# Altium PCB ESP32.PcbDoc (continued)
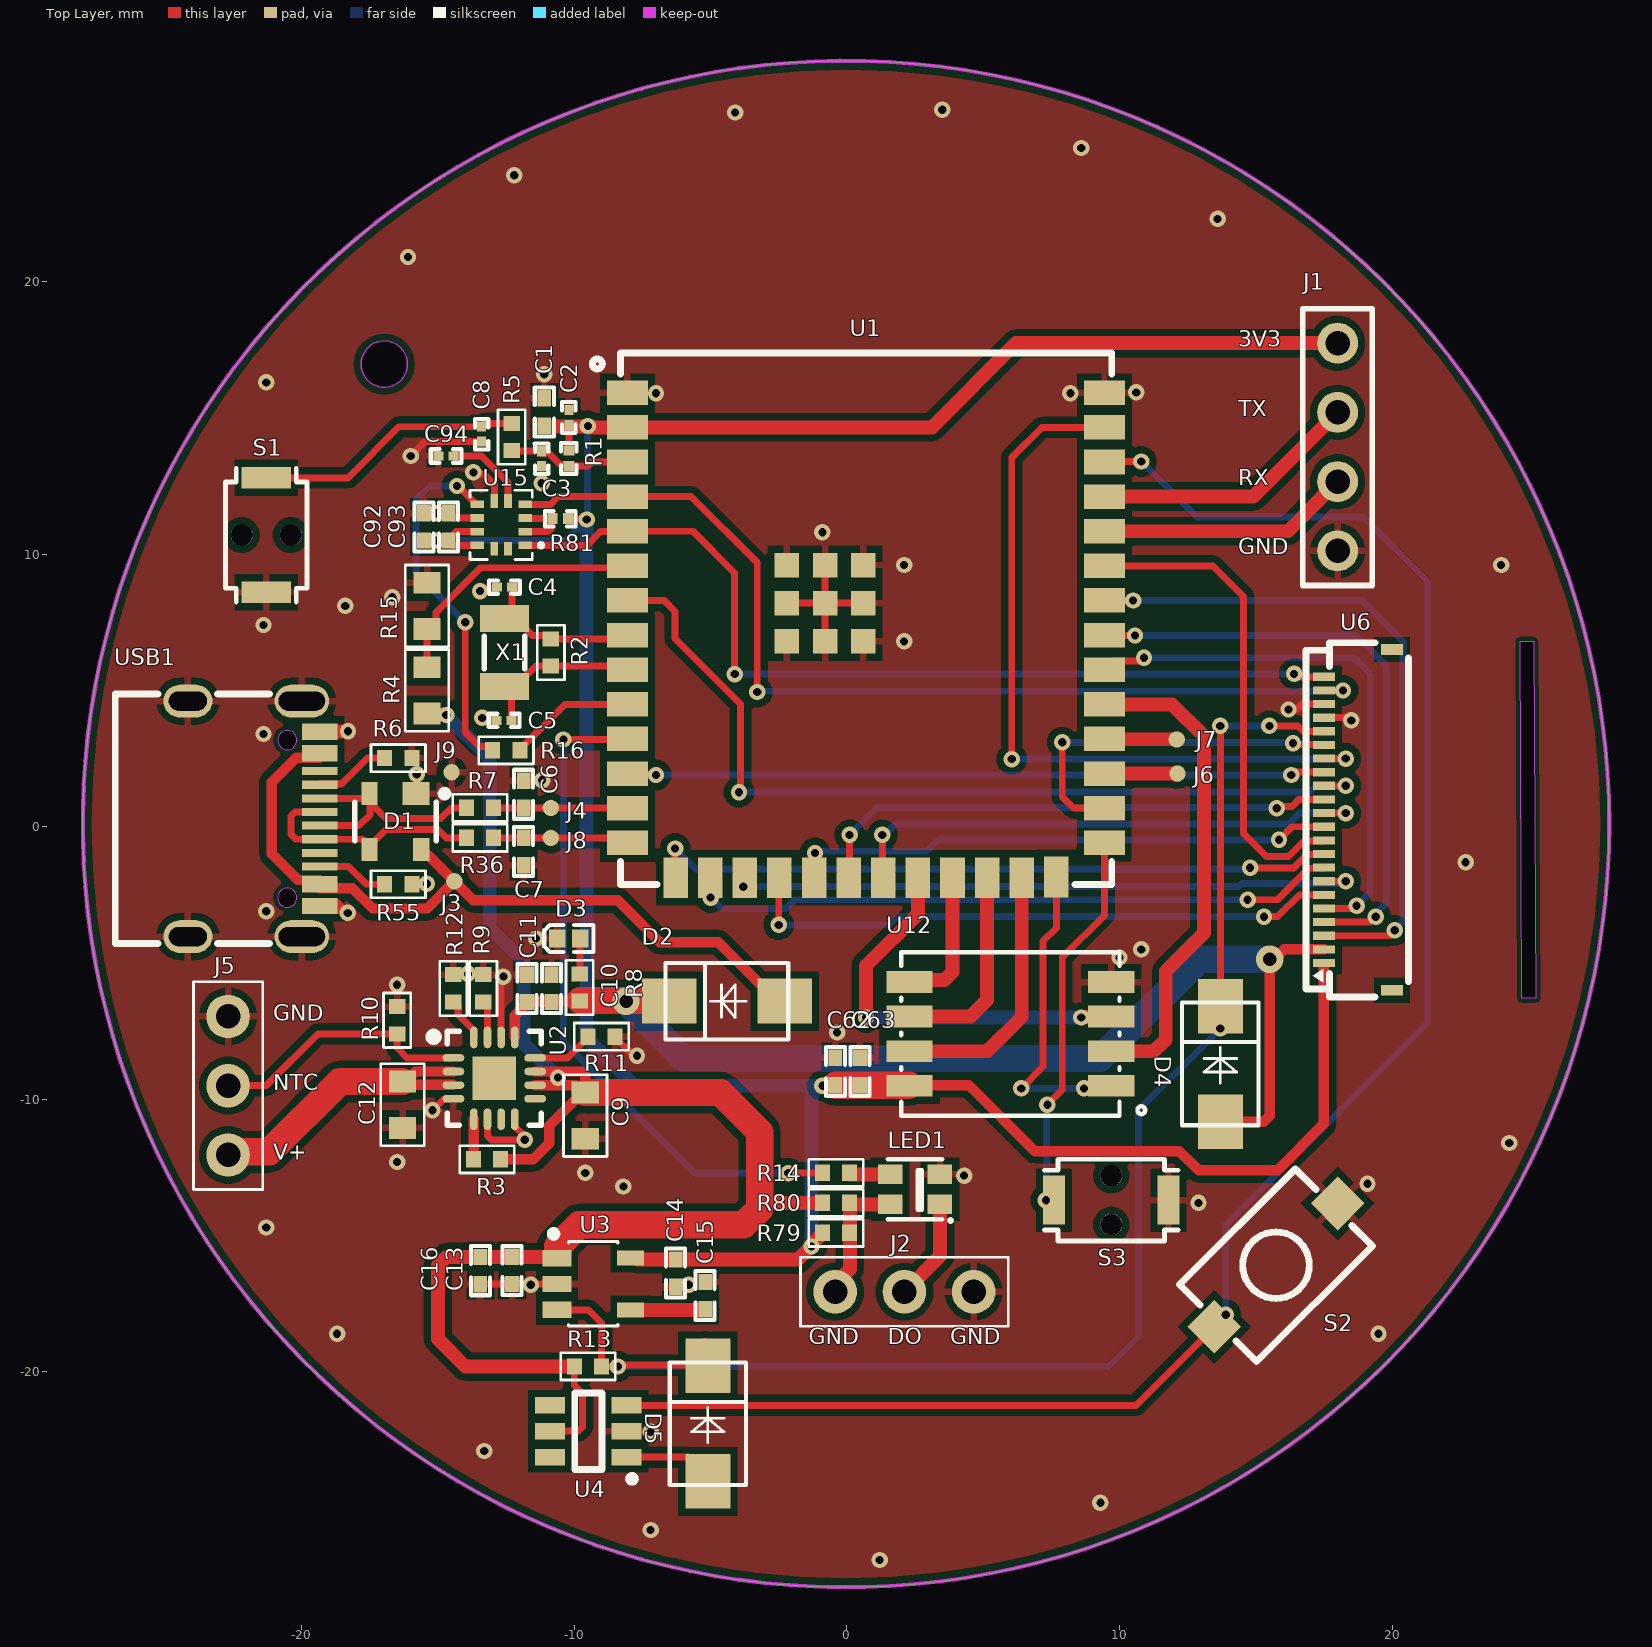
[diagram p0: Top Layer view]
## Footprints (in the part's own frame and the unit in brackets; to place one, negate y for a bottom-side part, rotate by r counter-clockwise, add the part's x,y. Pads: shape width x height; smd on the part's side, far side on the other; paste and mask are expansions set on the pad) (continued)
  rect 0.3x1.3 smd paste-100 mask+0.05: A1(-3.35,2.415) A4(-2.55,2.415) A5(-1.25,2.415) A6(-0.25,2.415) A7(0.25,2.415) A8(1.25,2.415) A9(2.55,2.415) A12(3.35,2.415) B1(3.05,2.415) B4(2.25,2.415) B5(1.75,2.415) B6(0.75,2.415) B7(-0.75,2.415) B8(-1.75,2.415) B9(-2.25,2.415) B12(-3.05,2.415)
  Keep-Out Layer board cut-out: 3.24,1.235 3.24,1.305 3.187,1.433 3.088,1.532 2.96,1.585 2.82,1.585 2.692,1.532 2.593,1.433 2.54,1.305 2.54,1.235 2.54,1.165 2.593,1.037 2.692,0.938 2.82,0.885 2.96,0.885 3.088,0.938 3.187,1.037 3.24,1.165 3.24,1.235 3.24,1.235
  Keep-Out Layer board cut-out: -2.54,1.235 -2.54,1.305 -2.593,1.433 -2.692,1.532 -2.82,1.585 -2.96,1.585 -3.088,1.532 -3.187,1.433 -3.24,1.305 -3.24,1.235 -3.24,1.165 -3.187,1.037 -3.088,0.938 -2.96,0.885 -2.82,0.885 -2.692,0.938 -2.593,1.037 -2.54,1.165 -2.54,1.235 -2.54,1.235
  silkscreen extent -4.57,-5.08 4.57,0.57, body extent -4.48,-5.1 4.47,2.65, height 3.26
WIRELM-SMD_ESP32-S3-WROOM-1U [mm]
  rect 1.5x0.9 smd paste+0 mask+0.05: 1(-8.75,8.895) 2(-8.75,7.625) 3(-8.75,6.355) 4(-8.75,5.085) 5(-8.75,3.815) 6(-8.75,2.545) 7(-8.75,1.275) 8(-8.75,0.005) 9(-8.75,-1.265) 10(-8.75,-2.535) 11(-8.75,-3.805) 12(-8.75,-5.075) 13(-8.75,-6.345) 14(-8.75,-7.615) 27(8.75,-7.615) 28(8.75,-6.345) 29(8.75,-5.075) 30(8.75,-3.805) 31(8.75,-2.535) 32(8.75,-1.265) 33(8.75,0.005) 34(8.75,1.275) 35(8.75,2.545) 36(8.75,3.815) 37(8.75,5.085) 38(8.75,6.355) 39(8.75,7.625) 40(8.75,8.895)
  rect 0.9x1.5 smd paste+0 mask+0.05: 15(-6.985,-8.895) 16(-5.715,-8.895) 17(-4.445,-8.895) 18(-3.175,-8.895) 19(-1.905,-8.895) 20(-0.635,-8.895) 21(0.635,-8.895) 22(1.905,-8.895) 23(3.175,-8.895) 24(4.445,-8.895) 25(5.715,-8.895) 26(6.985,-8.865)
  rect 0.9x0.9 smd: 41(-2.9,-0.225) 41(-2.9,1.175) 41(-2.9,2.575) 41(-1.5,1.175) 41(-1.5,-0.225) 41(-1.5,2.575) 41(-0.1,-0.225) 41(-0.1,1.175) 41(-0.1,2.575)
  silkscreen extent -10.04,-9.14 9.02,10.36, body extent -9,-9.15 9.02,10.06, height 3.21
XTAL_3215 [mm] "XTAL SMD 3.2 x 1.5 mm"
  rect 1x1.8 smd: 1(-1.25,0) 2(1.25,0)
  silkscreen extent -0.6,-0.75 0.6,0.75, body extent -1.6,-0.75 1.6,0.75, height 0.81

## Part data
C1: library part "0603 22uF (226) 20% 6.3V", "贴片电容", Package=0603, SuppliersPartNumber=C59461, ComponentLink1Description=供应商链接, ComponentLink1URL=http://www.szlcsc.com/product/details_60514.html, Supplier=LC
C2 C8 C62 C92: library part "0402 100nF (104) 10% 16V", "贴片电容", Package=0402, SuppliersPartNumber=C1525, ComponentLink1Description=供应商链接, ComponentLink1URL=http://www.szlcsc.com/product/details_1877.html, Supplier=LC
C3: library part "0603 1uF (105) 10% 50V", "贴片电容", Package=0603, SuppliersPartNumber=C15849, ComponentLink1Description=供应商链接, ComponentLink1URL=http://www.szlcsc.com/product/details_16531.html, Supplier=LC
C4 C5 C6 C7: library part "0402 12pF (120) 5% 50V", "贴片电容", Package=0402, SuppliersPartNumber=C1547, ComponentLink1Description=供应商链接, ComponentLink1URL=http://www.szlcsc.com/product/details_1899.html, Supplier=LC
C9 C10 C12: library part "0402 10uF (106) 20% 6.3V", "贴片电容", SuppliersPartNumber=C15525, Add into BOM=yes, Supplier=LC
C11 C15 C16: library part "0603 100nF (104) 10% 50V", "贴片电容", SuppliersPartNumber=C14663, Add into BOM=yes, Supplier=LC
  C15: 供应商链接=http://www.szlcsc.com/product/details_15331.html
C13 C14: library part "0603 1uF (105) 10% 50V", "贴片电容", SuppliersPartNumber=C15849, Add into BOM=yes, Supplier=LC
C63: library part "0603 10uF (106) 10% 10V", "贴片电容", Package=0603, SuppliersPartNumber=C19702, ComponentLink1Description=供应商链接, ComponentLink1URL=http://www.szlcsc.com/product/details_20411.html, Supplier=LC
C93: library part "0402 10uF (106) 20% 6.3V", "贴片电容", Package=0402, SuppliersPartNumber=C15525, ComponentLink1Description=供应商链接, ComponentLink1URL=http://www.szlcsc.com/product/details_16204.html, Supplier=LC
C94: library part "0402 220nF (224) 10% 16V", "贴片电容", Package=0402, SuppliersPartNumber=C16772, ComponentLink1Description=供应商链接, ComponentLink1URL=http://www.szlcsc.com/product/details_17456.html, Supplier=LC
D1: "Ultra low capacitance double rail-to-rail ESD protection diode", 2nd source part number=152-4157, Manufacturer=NXP, Supplier part number=568-4140-1-ND, 2nd source Supplier=Farnell, Artikkelnr Noca=10069015, Artikkelnr Simpro=N.A., Datasheet=http://www.farnell.com/datasheets/109718.pdf, Footprint Doc=SOT-143B, LatestRevisionDate=2012-06-11, Manufacturer Part Number=PRTR5V0U2X, Part Number=PRTR5V0U2X, Published=2012-06-11, Publisher="Nordic Semiconductor", Supplier=Digi-Key
D2 D4 D5: "1A，40V"
D3: library part LED0, "Typical INFRARED GaAs LED", Add into BOM=yes, 供应商链接=https://item.szlcsc.com/75457.html
J3 J4 J6 J7 J8 J9: library part TestPad, Add into BOM=yes
LED1: "发光颜色:RGB三色;二极管配置:-;功率:-;透镜颜色:-;主波长:470.4nm；622.5nm；515.6nm;色温:-;发光角度:-;安装方式:-;工作温度:-;", Color Temperature=-, Emitted Color=RGB三色, Forward Current=12mA, JLCPCB Part Class=扩展库, LCSC Part Name="RGB三色 （注意防潮，请查阅规格书中对应具体内容）", Manufacturer=worldsemi, Add into BOM=yes, Convert to PCB=yes, Datasheet=https://atta.szlcsc.com/upload/public/pdf/source/20201203/C965555_5C919C4B6231E6ADE06011FB0D94282B.pdf, Device=WS2812B-2020, Diode Configuration=-, Dominant Wavelength=470.4nm；622.5nm；515.6nm, Lens Color=-, Manufacturer Part=WS2812B-2020, Mounting Sytle=-, Name=WS2812B-2020, Operating Temperature=-, Peak Wavelength=-, Power Dissipation=-, Supplier=LCSC, Supplier Footprint=SMD,2x2mm, Supplier Part=C965555, Symbol=WS2812B-2020, Viewing Angle=-
R1 R2: library part "0402 10KΩ (1002) 1%", "贴片电阻", Package=0402, SuppliersPartNumber=C25744, ComponentLink1Description=供应商链接, ComponentLink1URL=http://www.szlcsc.com/product/details_26487.html, Supplier=LC
R3 R4 R8 R9 R10 R11 R12 R13 R14 R15 R16 R79 R80 R81: library part Res2, "Resistor"
  R3 R4 R8 R9 R10 R11 R12 R13 R15 R16: Add into BOM=yes, PackageDescription="Axial Device, Thru-Hole; 2 Leads; 0.4 in Pin Spacing", PackageReference=AXIAL-0.4
R5: library part "0402 0Ω (0R0) 1%", "贴片电阻", Package=0402, SuppliersPartNumber=C17168, ComponentLink1Description=供应商链接, ComponentLink1URL=http://www.szlcsc.com/product/details_17853.html, Supplier=LC
R6 R55: library part "0402 5.1KΩ (5101) 1%", "贴片电阻", SuppliersPartNumber=C25905, Add into BOM=yes, Supplier=LC
R7 R36: library part "0402 0Ω (0R0) 1%", "贴片电阻", SuppliersPartNumber=C17168, Add into BOM=yes, Supplier=LC
S1 S2 S3: library part SW-PB_包脚U型小乌龟, Add into BOM=yes, 供应商链接=https://item.szlcsc.com/6227348.html
U2: library part BQ24072, "TI", Add into BOM=yes, 供应商链接=https://item.szlcsc.com/151614.html
U3: library part TLV75733
U6: "锁定特性:翻盖式;触点数量:22P;间距:0.5mm;", JLCPCB Part Class=扩展库, Manufacturer=kinghelm(金航标), Add into BOM=yes, Convert to PCB=yes, Datasheet=https://atta.szlcsc.com/upload/public/pdf/source/20220629/AF128159C3D91429B5983CCCE2A07C6D.pdf, Device=KH-FPC0.5-H1.0SMT-22P-QCHF, Height Above Board=1mm, LCSC Part Name=KH-FPC0.5-H1.0SMT-22P-QCHF, Locking Feature=翻盖式, Manufacturer Part=KH-FPC0.5-H1.0SMT-22P-QCHF, Name=KH-FPC0.5-H1.0SMT-22P-QCHF, Number of Contacts=22P, Pitch=0.5mm, Supplier=LCSC, Supplier Footprint=SMD,P=0.5mm, Supplier Part=C3250120, Symbol=KH-FPC0.5-H1.0SMT-22P-QCHF
U12: "免驱动使用，标准SDIO接口，兼容SPI/SD/eMMC接口，兼容各大MCU平台;内置EDC/ECC，坏块管理，垃圾回收算法;可机贴，锁定晶圆和控制器,一致性高；内置SLC晶圆,10W次擦写寿命，通过1万次随机掉电测试，支持工业级温度-40°~+85°。 CS(创世) SD NAND也被很多开发者朋友称为：贴片式TF卡，贴片式SD卡，贴片卡，焊接式SD卡，焊接式TF卡，工业级TF卡，工业级SD卡，嵌入式SD卡等。主要解决了主控(比如STM32系列的MCU单片机 )使用 SLC NAND FLASH,SPI", JLCPCB Part Class=扩展库, LCSC Part Name="1Gb SD NAND 一代 SD NAND 一代", Manufacturer=CS(创世), Add into BOM=yes, Convert to PCB=yes, Datasheet=https://atta.szlcsc.com/upload/public/pdf/source/20210222/C2691593_195F15B6690BC3EBF1684FE727FBFF20.pdf, Device=CSNP1GCR01-BOW, Manufacturer Part=CSNP1GCR01-BOW, Name=CSNP1GCR01-BOW, Supplier=LCSC, Supplier Footprint=LGA-8(6x8), Supplier Part=C2691593, Symbol=CSNP1GCR01-BOW
U15: JLCPCB Part Class="Extended Part", Manufacturer=ST(意法半导体), Add into BOM=yes, Convert to PCB=yes, Datasheet=https://atta.szlcsc.com/upload/public/pdf/source/20180403/C126671_E4CABC5ABBEC58D74E548CEDEFA0489C.pdf, Device=LSM303AGRTR, LCSC Part Name=LSM303AGRTR, Manufacturer Part=LSM303AGRTR, Name=LSM303AGRTR, Supplier=LCSC, Supplier Footprint=LGA-12, Supplier Part=C126671, Symbol=LSM303AGRTR
X1: library part XTAL_SMD3215_32.768kHz_9pF_General, "XTAL SMD 3215, 32.768kHz, Cl=9pF, Total Tol: ±50ppm", Footprint Doc=XTAL_3215, LatestRevisionDate=2016-08-19, Pad Count=2, Part Number=XTAL_SMD3215_32.768kHz_9pF_General, Published=2016-08-19
USB1: Add into BOM=yes, Supplier=LCSC, 供应商链接=https://item.szlcsc.com/747093.html

## Via types
v1: diameter 0.6, hole 0.3, Top Layer to Bottom Layer, tented both sides, 116 vias
v2: diameter 1, hole 0.5, Top Layer to Bottom Layer, tented both sides, 2 vias

## Nets (pads, with @x,y where several pads share a name; then routed paths per layer and width w, separated by ;. In a path a pad name is that pad's centre, name@x,y a point inside that pad or via, vN(x,y) a via of type N, cw(c..) or ccw(c..) an arc to the next point about the centre after c; other vN are vias at no path point)
3V3: C1.2 C2.2 C14.2 C62.1 C63.2 C92.2 C93.2 J1.1 R1.2 R79.2 R81.1 U1.2 U3.5 U6.1 U12.8 U15.9 U15.10 | length 112.2
  Top Layer w0.254: C92.2 v1(-15.065,10.5) C93.2 ; U15.10 -14.489,10.324 -14.615,10.45 C93.2 ; U15.9 -14.341,10.824 -14.615,10.55 C93.2 ; R81.1 -10.216,11.286 -9.56,11.286 v1(-9.546,11.272) ; R1.2 C2.2@-10.2,14.65
  Top Layer w0.381: U12.8@2.275,-9.48 4.48,-9.48 6.9,-11.9 12.2,-11.9 12.9,-12.6 15.8,-12.6 17.5,-10.9 U6.1@17.5,-5.058
  Top Layer w0.508: C1.2 -11.1,14.688 -11.096,14.684 -9.516,14.684 v1(-9.5,14.7) -9.475,14.7 -9.425,14.65 U1.2 3.118,14.65 6.208,17.74 J1.1 ; U3.5 -7.709,-15.826 -7.659,-15.876 C14.2 -1.8,-15.876 -1.325,-15.4 v1(-1.3,-15.4) ; v1@-1.338,-15.363 R79.2@-0.9,-14.925
  Top Layer w1: C62.1 C63.2 U12.8@2.275,-9.48
  Bottom Layer w0.254: v1(-15.065,10.5) -10.318,10.5 v1(-9.546,11.272) -9.523,11.295 -9.523,14.677 v1(-9.5,14.7)
  Bottom Layer w0.508: v1(-9.546,11.272) -9.546,-7.754 -7.8,-9.5 v1@-1,-9.5 ; v1(-1.3,-15.4) -1.3,-9.8 v1@-1,-9.5 ; v1(-0.9,-9.5) v1@-1,-9.5
4V2_OUT: C9.2 C13.2 C16.2 R3.1 R4.1 R13.2 R80.2 U2.10 U2.11 U3.1 U4.5 | length 61.3
  Top Layer w0.254: U4.5 -9.849,-22.175 -9.7,-22.026 -9.7,-20.8 -10,-20.5 R13.2
  Top Layer w0.381: R3.1 -11.5,-12.2 -10.92,-11.62 -10.92,-10.97 C9.2@-9.7,-9.75 ; U2.10 -9.971,-9.48 C9.2@-9.7,-9.75 ; U2.11 -9.72,-8.98 -9.606,-9.094 -9.6,-9.1 C9.2 C9.2@-9.7,-9.75
  Top Layer w0.5: C16.2 -10.803,-15.786 U3.1@-10.609,-15.591
  Top Layer w0.508: R4.1 -15.367,4.118 -14.718,4.118 v1(-14.7,4.1) ; C16.2 -14.686,-15.786 -15,-16.1 -15,-18.8 -14,-19.8 R13.2 ; -3.2,-14.014 -2.986,-13.8 R80.2
  Top Layer w1: U3.1@-10.609,-15.591 -10.609,-15.386 -9.823,-14.6 -3.786,-14.6 -3.2,-14.014 -3.2,-11.2 -4.65,-9.75 C9.2
  Bottom Layer w0.508: v1(-14.7,4.1) -13.1,2.5 -13.1,-3.709 -11.856,-4.953 -11.856,-7.942 v1(-10.595,-9.203)
6D_DRDY: R16.2 U15.7 | length 13.3
  Top Layer w0.254: v1(-14.3,12.5) -14.263,12.5 -13.678,11.915 -13.678,11.837 -13.665,11.824 U15.7 ; v1(-14,7.499) -14,3.466 -13.47,2.936 -13.136,2.936 R16.2
  Bottom Layer w0.254: v1(-14.3,12.5) -15.3,12.5 -15.8,12 -15.8,9.299 v1(-14,7.499)
ADS_DRDY1: U1.32 U6.5 | length 20.1
  Top Layer w0.254: U1.32 9.773,6.083 10.689,6.083 10.806,6.2 v1(10.9,6.2) ; U6.5 18.506,-3 18.606,-2.9 v1(18.7,-2.9)
  Bottom Layer w0.254: v1(10.9,6.2) 18.6,6.2 19.2,5.6 19.2,-2.4 v1(18.7,-2.9)
ADS_DRDY2: U1.33 U6.4 | length 21.9
  Top Layer w0.254: U1.33 9.464,7.017 v1(10.57,7.017) ; U6.4 v1@19.2,-3.5
  Bottom Layer w0.254: v1(10.57,7.017) 18.683,7.017 19.8,5.9 19.8,-2.806 19.4,-3.206 v1(19.4,-3.3)
ADS_DRDY3: U1.34 U6.3 | length 25
  Top Layer w0.254: U1.34 v1(10.5,8.3) ; U6.3 19.9,-4 v1(20.1,-3.8)
  Bottom Layer w0.254: v1(10.5,8.3) 18.9,8.3 20.4,6.8 20.4,-3.478 20.1,-3.778 v1(20.1,-3.8)
ADS_DRDY4: U1.35 U6.10 | length 17.8
  Top Layer w0.254: U1.35 13.43,9.57 14.55,8.45 14.55,-0.25 15.4,-1.1 16.2,-1.1 16.777,-0.523 17.477,-0.523 U6.10
ADS_PWDN: U1.39 U6.16 | length 28
  Top Layer w0.254: v1(6.049,2.479) 6.049,13.549 7.15,14.65 U1.39 ; U6.16 v1(18.3,2.5)
  Bottom Layer w0.254: v1@6.049,2.48 18.28,2.48 v1(18.3,2.5)
ADS_RESET: U1.12 U6.15 | length 25.5
  Top Layer w0.254: U1.12 -8,1.9 v1(-7,1.9) ; v1@16.4,2 U6.15
  Bottom Layer w0.254: v1(-7,1.9) v1(16.3,1.9)
ADS_SPI_CLK: U1.20 U6.13 | length 19.5
  Top Layer w0.254: U1.20 0.1,-1.835 v1(0.1,-0.3) ; v1(15.769,0.679) 15.835,0.746 16.323,0.746 16.577,1 U6.13
  Bottom Layer w0.254: v1(0.1,-0.3) 1.1,0.7 15.748,0.7 v1(15.769,0.679)
ADS_SPI_CS0: U1.18 U6.6 | length 22.2
  Top Layer w0.254: v1(-2.5,-3.6) -2.5,-1.895 U1.18 ; v1(15.3,-3.3) 15.8,-3.3 16.6,-2.5 U6.6
  Bottom Layer w0.254: v1(-2.5,-3.6) 1.55,-3.6 1.85,-3.3 v1(15.3,-3.3)
ADS_SPI_CS1: U1.17 U6.7 | length 23
  Top Layer w0.254: U6.7 v1(18.3,-2)
  Bottom Layer w0.254: v1(-3.8,-2.2) -3.794,-2.194 14.366,-2.194 14.474,-2.086 17.978,-2.086 17.998,-2.066 18.234,-2.066 v1(18.3,-2)
ADS_SPI_CS2: U1.16 U6.8 | length 23.3
  Top Layer w0.254: v1(14.7,-2.679) 15.795,-2.679 16.952,-1.523 17.477,-1.523 U6.8
  Bottom Layer w0.254: v1(-5,-2.6) -4.6,-3 -2.221,-3 -1.9,-2.679 v1(14.7,-2.679)
ADS_SPI_CS3: U1.15 U6.9 | length 25.4
  Top Layer w0.254: v1(-6.3,-0.8) -6.3,-1.855 U1.15 ; v1(14.794,-1.506) 16.394,-1.506 16.877,-1.023 17.477,-1.023 U6.9
  Bottom Layer w0.254: v1(-6.3,-0.8) -5.554,-1.546 14.754,-1.546 v1(14.794,-1.506)
ADS_SPI_MISO: U1.21 U6.12 | length 19.6
  Top Layer w0.254: v1(1.3,-0.3) 1.3,-1.835 U1.21 ; U6.12 v1(18.3,0.5)
  Bottom Layer w0.254: v1@1.394,-0.3 1.794,0.1 16.2,0.1 16.6,0.5 v1(18.3,0.5)
ADS_SPI_MOSI: U1.19 U6.11 | length 19
  Top Layer w0.254: v1(15.85,-0.479) 15.855,-0.479 16.334,0 U6.11
  Bottom Layer w0.254: v1@-1.1,-0.9 2.9,-0.9 3.321,-0.479 v1(15.85,-0.479)
  other v1: -1.168,-0.966
ADS_START: U1.7 U6.14 | length 32.7
  Top Layer w0.254: U1.7 -6.7,8.3 -6.3,7.9 -6.3,6.9 -3.9,4.5 -3.9,1.327 v1(-3.96,1.267) ; U6.14 v1(18.3,1.5)
  Bottom Layer w0.254: v1(-3.96,1.267) 16.971,1.267 17.203,1.5 v1(18.3,1.5)
Battery+: C12.2 J5.1 U2.2 U2.3 | length 11.4
  Top Layer w0.381: U2.3@-14.452,-9.463 -16.187,-9.463 C12.2 -16.2,-9.35 -15.829,-8.98 U2.2
  Top Layer w1: J5.1 -22.585,-11.925 -21.185,-11.925 -18.61,-9.35 C12.2
EN: C3.2 R1.1 R5.2 U1.3 | length 4.5
  Top Layer w0.254: R5.2 R5.2@-12.287,13.787 ; R5.2@-12.262,13.787 -11.213,13.787 C3.2 -11.2,13.752 -11.165,13.717 -10.95,13.717 -10.516,13.283 -10.253,13.283 R1.1 -9.501,13.23 -9.351,13.38 U1.3
GND: C1.1 C2.1 C3.1 C4.1 C5.1 C6.1 C7.1 C8.2 C9.1 C10.1 C11.1 C12.1 C13.1 C14.1 C15.1 C16.1 C62.2 C63.1 C92.1 C93.1 C94.1 D1.1 D3.K J1.4 J2.3 J5.3 J9.1 LED1.2 R6.1 R9.2 R10.2 R11.2 R12.2 R15.2 R55.2 S1.2 S2.2 S3.1 U1.1 U1.40 U1.41 U2.4 U2.6 U2.8 U2.14 U3.2 U4.2 U6.19 U6.20 U12.4 U15.6 U15.8 USB1.1 USB1.2 USB1.3 USB1.4 USB1.A1 USB1.A12 USB1.B1 USB1.B12 | length 30.3
  Top Layer w0.254: USB1.A12 -19.322,-3.083 -18.483,-3.083 -18.407,-3.159 v1(-18.313,-3.159) -18.69,-2.783 -19.322,-2.783 USB1.B1 ; USB1.B12 -19.322,3.363 -18.531,3.363 -18.394,3.5 v1(-18.3,3.5) ; USB1.A1 -19.322,3.617 v1@-18.511,3.617 ; v1(-16,13.6) -15.474,14.126 C8.2 ; C92.1 C93.1 -14.615,11.45 -14.489,11.324 U15.8 ; v1(-15.2,-10.4) -14.785,-9.985 -14.44,-9.985 U2.4 ; v1(-13.7,13) -13.636,12.936 -13.309,12.936 -12.93,12.557 U15.6 ; v1(-13.456,8.644) -13.363,8.644 -13.252,8.755 -12.869,8.755 C4.1 ; C16.1 -13.439,-16.781 -10.639,-16.781 U3.2 ; v1(-13.379,3.992) -13.322,3.935 -12.883,3.935 C5.1 ; U2.6 -13.185,-11.338 -13.036,-11.486 v1(-11.817,-11.486) -11.883,-11.42 -11.883,-11.299 -12.185,-10.997 U2.8 ; U2.14 -12.685,-5.585 v1(-12.6,-5.5) ; v1(-11.2,12.6) C3.1 ; R11.2 -8.5,-7.725 -7.891,-8.334 -7.766,-8.334 v1(-7.7,-8.4) ; U1.41@-2.2,8.2 U1.41@-0.8,8.2 ; U1.41@-0.8,6.8 U1.41@-0.8,8.2 ; U1.41@-0.8,9.6 U1.41@-0.8,8.2 ; U1.41@0.6,8.2 U1.41@-0.8,8.2 ; 16.5,4.3 16.7,4.5 U6.20 ; U6.19 18.307,4 18.406,3.9 v1(18.5,3.9)
  other v1: 1.2,-26.9 -7.2,-25.8 9.3,-24.8 -13.3,-22.9 -7.2,-22.2 -18.7,-18.6 19.5,-18.6 -11.6,-16.8 -5.8,-16.8 -21.3,-14.7 12.9,-13.8 -8.2,-13.2 19.1,-13.1 4.3,-12.8 -9.6,-12.7 -16.5,-12.3 24.3,-11.6 -0.359,-7.547 -16.5,-5.8 -13.9,-5.4 10,-4.8 10.8,-4.5 -11.4,-4.1 -21.3,-3.1 -15.408,-2.094 22.7,-1.3 -11.18,1.702 -15.776,1.922 -21.4,3.4 16.2,4.3 2.1,6.8 -21.4,7.4 -18.4,8.1 -16.677,8.42 2.1,9.6 24,9.6 -0.9,10.8 -15.065,11.5 -7,15.9 8.2,15.9 10.619,15.933 -21.3,16.3 -11.1,16.6 -16.1,20.9 13.6,22.3 -12.2,23.9 8.6,24.9 -4.1,26.2 3.5,26.3
I2C_SCL: U1.5 U6.22 U15.1 | length 33.9
  Top Layer w0.254: U15.1 -9.531,10.324 -9.032,10.823 -8.067,10.823 U1.5 -5.64,10.84 -4.115,9.315 v1(-4.115,5.598) ; v1(16.408,5.607) 16.501,5.607 16.609,5.5 U6.22
  Bottom Layer w0.254: v1(-4.115,5.598) -4.111,5.603 16.403,5.603 v1(16.408,5.607)
I2C_SDA: U1.4 U6.21 U15.4 | length 36.6
  Top Layer w0.254: U15.4 -10.876,11.824 -10.59,12.11 U1.4 -5.71,12.11 -3.287,9.687 v1(-3.287,4.94) ; U6.21 v1(18.2,5)
  Bottom Layer w0.254: v1(-3.287,4.94) -3.258,4.97 18.17,4.97 v1(18.2,5)
IN_5V: C10.2 C11.2 D2.2 D4.1 R8.2 U2.13 U6.2 | length 42.3
  Top Layer w0.381: U2.13 -12.185,-6.94 -11.794,-6.549 -11.794,-6.489 C11.2 -11.72,-6.415 C10.2@-10.835,-6.415 ; C10.2 -10.798,-6.393 R8.2@-9.807,-6.393 ; D4.1@13.8,-10.82 15.288,-10.82 15.511,-10.597 v2(15.511,-4.858) 15.678,-4.858 16.036,-4.5 U6.2
  Top Layer w1: R8.2@-9.778,-6.378 -6.642,-6.378 D2.2@-6.62,-6.4
  Bottom Layer w1: v2(-8.1,-6.4) -6,-8.5 9.3,-8.5 12.942,-4.858 v2(15.511,-4.858)
IO2: S2.1 U1.38 U4.3 | length 67
  Top Layer w0.254: U4.3 10.601,-21.226 13.113,-18.713 S2.1 13.479,-18.321 v1(13.9,-17.9) ; U1.38 9.47,13.4 v1(10.8,13.4)
  Bottom Layer w0.254: v1(10.8,13.4) 12.844,11.356 18.944,11.356 21.3,9 21.3,-7.2 13.9,-14.6 v1(13.9,-17.9)
IO6: R4.2 R15.1 U1.6 | length 9.9
  Top Layer w0.254: R4.2 R15.1 -15.349,7.25 -15.076,7.523 -15.076,7.857 -13.433,9.5 -8.12,9.5 U1.6
IO14: U1.22 U12.3 | length 14.9
  Top Layer w0.508: v1(0.7,-7) 0.7,-5.1 2.605,-3.195 U1.22 ; v1(8.6,-7) 8.617,-6.983 9.682,-6.983 U12.3
  Bottom Layer w0.508: v1(0.7,-7) v1(8.6,-7)
IO17: R16.1 U1.10 | length 4.7
  Top Layer w0.254: R16.1 -12,2.825 -10.335,4.49 U1.10
IO18: R14.2 U1.11 | length 25
  Top Layer w0.254: v1(-10.4,3.2) -8.07,3.2 U1.11 ; v1(-2.149,-12.708) -2.145,-12.704 -0.904,-12.704 R14.2
  Bottom Layer w0.254: v1(-10.4,3.2) -10.4,-7.9 -5.592,-12.708 v1(-2.149,-12.708)
IO21: U1.23 U12.5 | length 5.2
  Top Layer w0.508: U12.5 2.373,-5.622 3.578,-5.622 3.875,-5.325 U1.23
IO35: U1.28 U6.17 | length 13.4
  Top Layer w0.254: v1(7.9,3.1) 7.9,1.1 8.32,0.68 U1.28 ; v1(16.364,3.06) 16.401,3.023 17.477,3.023 U6.17
  Bottom Layer w0.254: v1@7.9,3.09 16.334,3.09 v1(16.364,3.06)
IO36: J6.1 U1.29 | length 2.6
  Top Layer w0.508: U1.29 J6.1@12.025,1.95 ; J6.1@12.075,1.9 J6.1@12.1,1.9
IO37: J7.1 U1.30 | length 2.7
  Top Layer w0.508: U1.30 9.46,3.21 12.09,3.21 J7.1
IO38: U1.31 U12.2 | length 18
  Top Layer w0.508: U1.31 10.595,4.49 11.933,4.49 13.1,3.324 13.1,-3.9 11.7,-5.3 11.7,-7.8 11.265,-8.235 U12.2
IO45: U1.26 U12.1 | length 11.6
  Top Layer w0.254: v1(6.4,-9.6) 7.2,-8.8 7.2,-4.2 7.685,-3.715 U1.26 ; v1(8.7,-9.6) 9.605,-9.6 U12.1
  Bottom Layer w0.254: v1(6.4,-9.6) v1(8.7,-9.6)
IO47: U1.24 U12.6 | length 7.6
  Top Layer w0.508: U12.6 4.535,-6.965 5.145,-6.355 U1.24
IO48: U1.25 U12.7 | length 9.7
  Top Layer w0.508: U12.7 5.165,-8.235 6.415,-6.985 U1.25
NetC4_2: C4.2 R2.2 U1.8 X1.1 | length 6.1
  Top Layer w0.254: C4.2 -12.286,7.914 X1.1 -12.16,7.64 -11.541,7.021 -10.991,7.021 R2.2 -8.19,6.89 U1.8
NetC5_2: C5.2 R2.1 U1.9 X1.2 | length 6.2
  Top Layer w0.254: C5.2 -12.3,4.88 X1.2 -12.16,5.14 -11.41,5.89 R2.1 -8.18,5.89 U1.9
NetC8_1: C8.1 R5.1 S1.1 | length 9.7
  Top Layer w0.254: S1.1 -18.3,12.8 -16.426,14.674 C8.1 ; C8.1@-13.296,14.8 R5.1
NetC15_2: C15.2 U3.4 | length 2.8
  Top Layer w0.508: U3.4 -5.204,-17.726 -5.2,-17.722 C15.2
NetC94_2: C94.2 U15.5 | length 3.1
  Top Layer w0.254: C94.2 -13.399,13.6 -12.43,12.632 U15.5
NetD3_A: D3.A R8.1 | length 1.4
  Top Layer w0.254: D3.A -9.787,-4.112 -9.787,-5.388 R8.1 R8.1@-9.762,-5.437
NetD5_1: D5.1 U4.1 | length 3.5
  Top Layer w0.254: U4.1 -5.819,-23.126 -5.1,-23.845 D5.1
NetJ2_1: J2.1 LED1.4 R79.1 R80.1 | length 4.9
  Top Layer w0.508: J2.1 -0.43,-16.765 0.11,-16.225 0.11,-14.96 0.11,-13.86 0.115,-13.855 1.58,-13.855 LED1.4
NetJ2_2: J2.2 LED1.1 | length 3.8
  Top Layer w0.508: J2.2 3.415,-15.755 LED1.1
NetLED1_3: LED1.3 R14.1 | length 1.5
  Top Layer w0.508: R14.1@0.11,-12.76 0.115,-12.755 1.58,-12.755 LED1.3
NetR3_2: R3.2 U2.5 | length 1.5
  Top Layer w0.381: R3.2 -13.693,-12.193 -13.693,-10.738 U2.5
NetR6_2: R6.2 USB1.A5 | length 2.8
  Top Layer w0.254: USB1.A5 -19.322,1.563 -18.536,1.563 -17.579,2.521 R6.2
NetR9_1: R9.1 U2.15 | length 1.4
  Top Layer w0.254: R9.1 -13.333,-6.43 -13.185,-6.578 U2.15
NetR11_1: R11.1 U2.12 | length 2.3
  Top Layer w0.254: U2.12 -10.255,-8.48 -9.5,-7.725 R11.1
NetR12_1: R12.1 U2.16 | length 1.6
  Top Layer w0.254: R12.1 -14.41,-6.43 -14.262,-6.578 -14.262,-6.893 -13.685,-7.47 U2.16
NetR55_1: R55.1 USB1.B5 | length 2.7
  Top Layer w0.254: USB1.B5 -18.275,-1.46 -17.625,-2.11 R55.1
NetR81_2: R81.2 U15.2 U15.3 | length 2.4
  Top Layer w0.254: U15.2 -10.949,10.824 -10.853,10.92 -10.853,11.247 R81.2 -10.812,11.312 -11.793,11.312 U15.3
NetS3_2: S3.2 U1.27 | length 14
  Top Layer w0.254: v1(7.357,-10.196) 7.9,-9.653 7.9,-4.8 9.45,-3.25 U1.27
  Bottom Layer w0.254: v1(7.3,-13.7) 7.328,-13.672 7.328,-10.225 v1(7.357,-10.196)
NTC: J5.2 R10.1 U2.1 | length 9.7
  Top Layer w0.254: J5.2 -21.3,-9.5 -19.4,-7.6 R10.1@-16.495,-7.6 ; R10.1 -16.508,-7.608 -16.508,-8.107 -16.133,-8.482 -14.437,-8.482 U2.1
PD_CTL: D4.2 D5.2 R13.1 U3.3 U6.18 | length 54.8
  Top Layer w0.254: U3.3 -9.474,-17.726 -9,-18.2 R13.1 v1(-8.4,-19.8) -8.353,-19.753 -5.898,-19.753 -5.2,-19.055 D5.2@-5.2,-18.88 ; v1(13.7,-7.4) v1(13.7,3.7) ; v1(15.5,3.7) 16.543,3.7 16.743,3.5 U6.18
  Bottom Layer w0.254: v1(-8.4,-19.8) 9.6,-19.8 10.7,-18.7 10.7,-10.4 v1(13.7,-7.4) ; v1(13.7,3.7) v1(15.5,3.7)
RXD0: J1.3 U1.36 | length 9.3
  Top Layer w0.508: U1.36 16.18,10.84 J1.3
TXD0: J1.2 U1.37 | length 9.8
  Top Layer w0.508: U1.37 14.91,12.11 J1.2
USB_D_N: C6.2 J4.1 R7.2 U1.13 | length 4.9
  Top Layer w0.254: R7.2 J4.1 -8.06,0.69 U1.13
USB_D_P: C7.2 J8.1 R36.2 U1.14 | length 5
  Top Layer w0.254: R36.2 J8.1 -8.23,-0.41 U1.14
USB_N: D1.2 R7.1 USB1.A7 USB1.B7 | length 8.6
  Top Layer w0.254: USB1.A7 -17.892,0.04 -17.5,0.432 D1.2@-17.5,1.04 ; USB1.B7 D1.2@-17.5,1.04 ; D1.2@-17.51,0.91 -16.9,0.3 -14.9,0.3 -14.51,0.69 R7.1 ; D1.2@-17.51,1.04 D1.2 ; D1.2@-17.46,1.04 D1.2@-17.5,1.04
USB_P: D1.3 R36.1 USB1.A6 USB1.B6 | length 8.8
  Top Layer w0.254: USB1.A6 -20.251,0.54 -20.4,0.391 -20.4,-0.276 -20.216,-0.46 USB1.B6 -17.76,-0.46 -17.51,-0.71 -16.906,-0.106 -14.994,-0.106 -14.69,-0.41 R36.1
USBVBUS: D1.4 D2.1 J3.1 USB1.A4 USB1.A9 USB1.B4 USB1.B9 | length 28.2
  Top Layer w0.381: USB1.A9 -18.14,-2.26 -17.4,-3 -15.4,-3 J3.1 ; USB1.B4 -19.352,-1.953 -20.147,-1.953 -21.1,-1 -21.1,1.625 -20.192,2.533 -19.352,2.533 USB1.B9 ; D1.4 -15.61,-0.96 -15.5,-1.07 -15.331,-1.07 J3.1 ; D2.1@-2.38,-6.4 -2.555,-6.4 -4.722,-4.233 -6.867,-4.233 -8.4,-2.7 -13.7,-2.7 J3.1
pads on no net: S1. S3. U2.7 U2.9 U2.17 U4.4 U4.6 U6.23 U6.24 U15.11 U15.12 USB1.A8 USB1.B8

## Polygon pours and split planes (outlines as drawn)
GND on Bottom Layer "NONET_L01_P-001" (solid, remove dead copper, pour order 0): -28.032,0.1 ccw(c-0.032,0.1) -0.032,-27.9 ccw(c-0.032,0.1) 27.968,0.1 ccw(c-0.032,0.1) -0.032,28.1 ccw(c-0.032,0.1)
GND on Top Layer "NONET_L01_P-001" (solid, remove dead copper, pour order 1): -28.032,0.1 ccw(c-0.032,0.1) -0.032,-27.9 ccw(c-0.032,0.1) 27.968,0.1 ccw(c-0.032,0.1) -0.032,28.1 ccw(c-0.032,0.1)

## Keep-outs
Keep-Out Layer:
  circle w0.013: c-16.971,16.971 r0.85
  circle w0.152: c-0.032,0.1 r28

## Silkscreen, mask and mechanical layers (free items; w line width, h text height)
Top Overlay:
  text "3V3" at 14.361,17.413 h1
  text "TX" at 14.361,14.863 h1
  text "RX" at 14.361,12.323 h1
  text "GND" at 14.361,9.793 h1
  text "GND" at -21.039,-7.327 h1
  text "NTC" at -21.039,-9.867 h1
  text "V+" at -21.039,-12.417 h1
  text "GND" at -1.4,-19.189 h1
  text "DO" at 1.5,-19.189 h1
  text "GND" at 3.8,-19.189 h1
Mechanical 1:
  lines w0.013: 24.697,6.798 25.198,6.801 25.264,-6.299 24.763,-6.301 24.697,6.798
Mechanical 3:
  circle w0.006: c-23.79,6.095 r0.003
  circle w0.006: c-23.79,0.191 r0.003
  circle w0.006: c-21.664,7.5 r0.003
  circle w0.006: c-12.31,-0.843 r0.003
  circle w0.006: c-23.05,-1.161 r0.003
  circle w0.006: c6.35,31.433 r0.003
  circle w0.006: c0,36.049 r0.003
  circle w0.006: c-24.95,1.161 r0.003
  circle w0.006: c-7.97,20.929 r0.003